# Altium PCB PC104_M7_4L.PcbDoc (part 2 of 3) (continued)
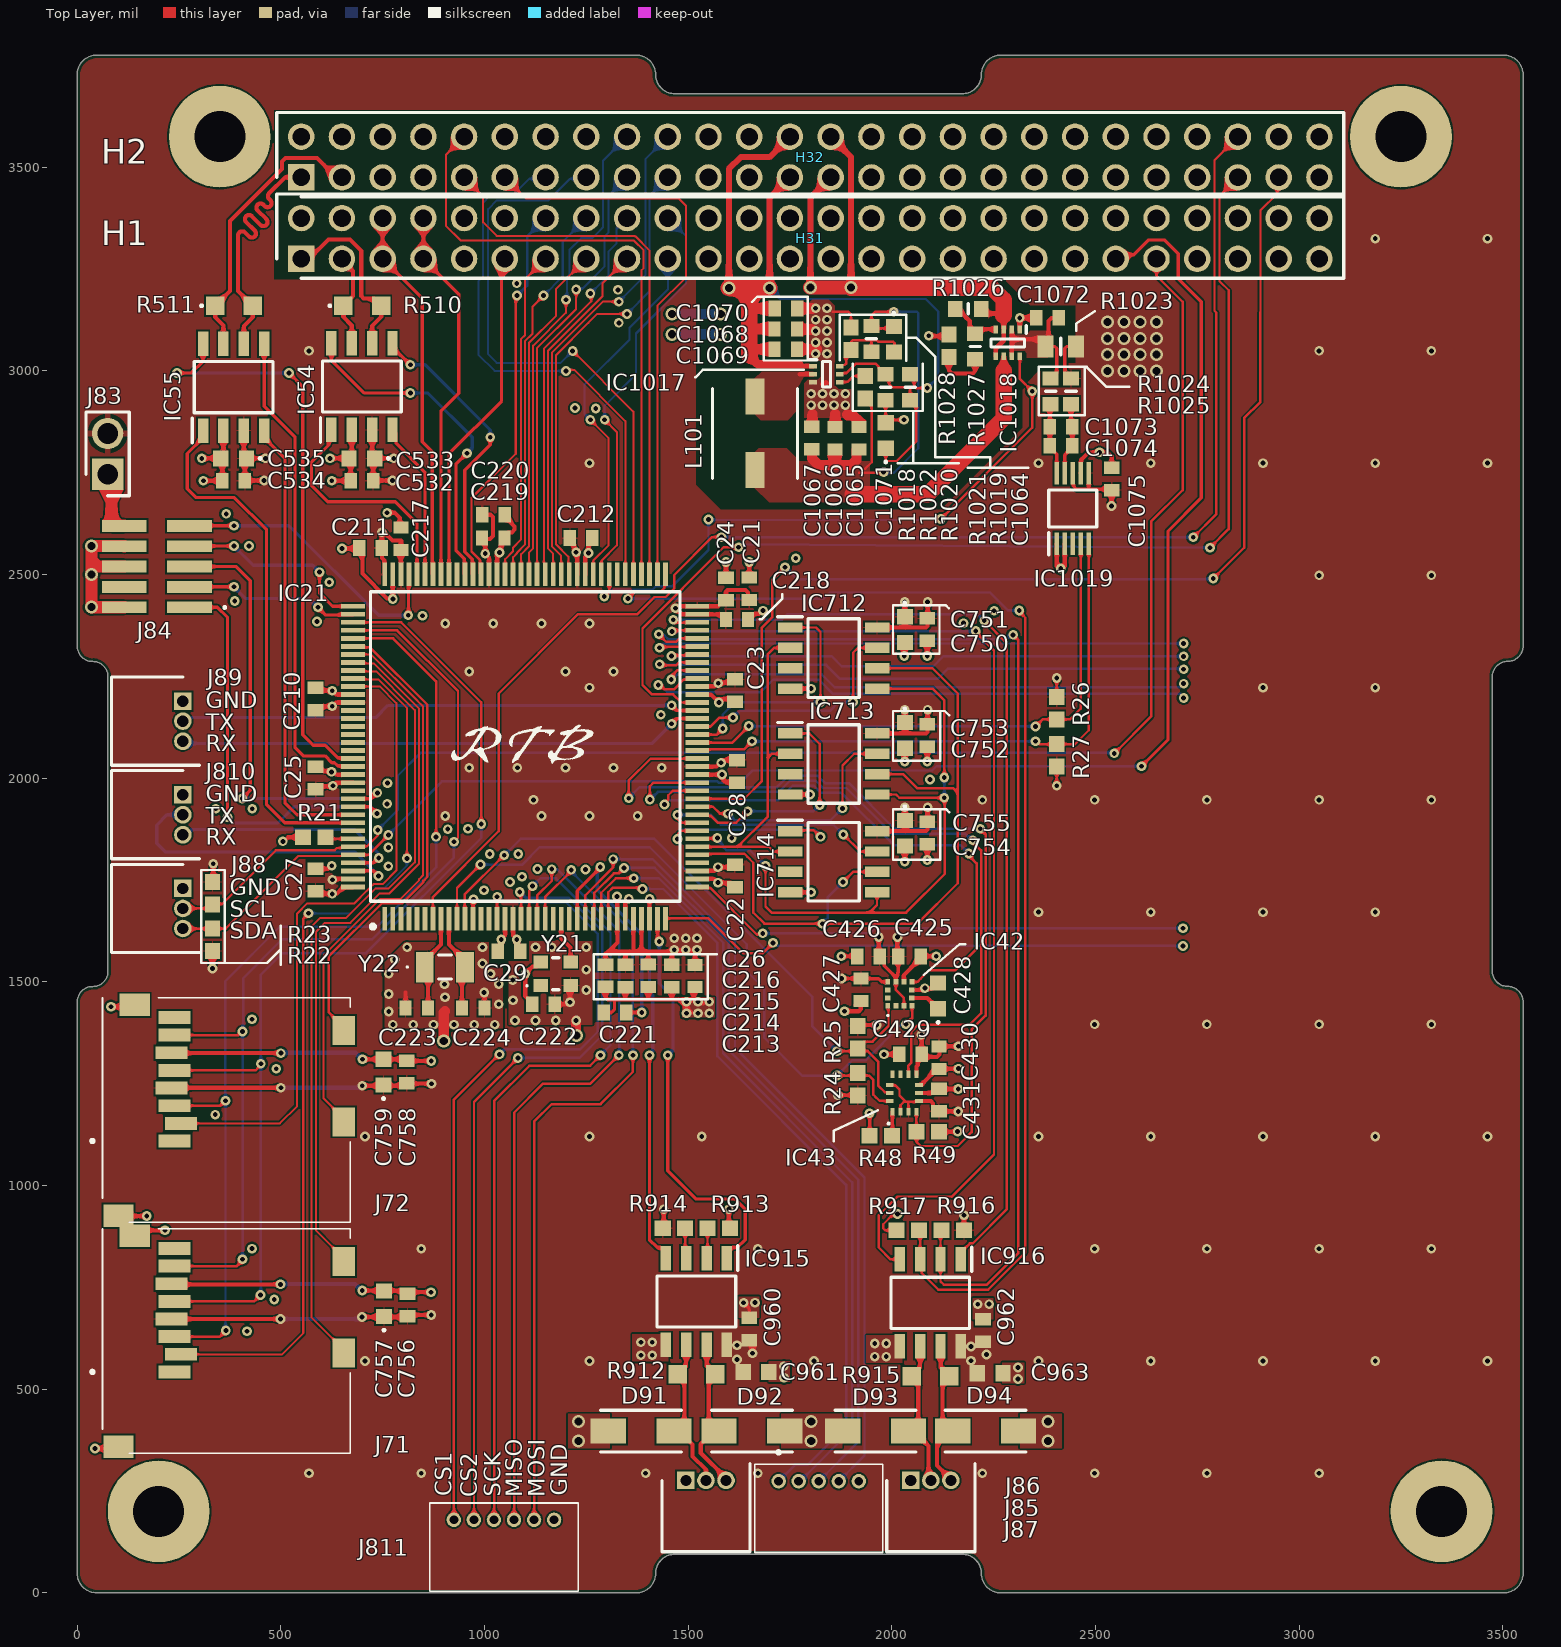
[diagram p0: Top Layer view]
## Nets (pads, with @x,y where several pads share a name; then routed paths per layer and width w, separated by ;. In a path a pad name is that pad's centre, name@x,y a point inside that pad or via, vN(x,y) a via of type N, cw(c..) or ccw(c..) an arc to the next point about the centre after c; other vN are vias at no path point) (continued)
  Top Layer w5: 2796.48,3143.52 2792.32,3147.68 2792.32,3517.52 H32.48@2850,3575.2
  Top Layer w6: IC21.7@873.38,1654.92 873.38,1708.38 1035,1870 1035,2208 1230,2403 1375.59,2403 1417.59,2445 1445,2445 1466,2466 1466,2499 1559,2592 v1(1582,2592) ; v1(2740.16,2591.54) 2796.48,2647.85 2796.48,3143.52
  Bottom Layer w6: v1(1582,2592) 1582.23,2591.77 2739.93,2591.77 v1(2740.16,2591.54)
RTC_OUT_CALIB: H32.49 IC21.48 | length 2840.5
  Top Layer w5: 2905.02,3143.98 2905.02,3393.83 2946.41,3435.22 2946.41,3471.61 H32.49@2950,3475.2
  Top Layer w6: IC21.48@1522.51,1949.72 1637.72,1949.72 1681,1993 1681,2370 1707,2396 1707,2487 v1(1738,2518) ; v1(2789.37,2490.16) 2865.16,2565.94 2865.16,2884.16 2905.02,2924.02 2905.02,3143.98
  Bottom Layer w6: v1(1738,2518) 1767,2489 2788.21,2489 v1(2789.37,2490.16)
SD1_CD1: IC21.117 J71.CD1 | length 1964.6
  Top Layer w5: J71.CD1@654.53,589.15 654.53,597.03 575,676.55 575,1635.1 596.9,1657 660.15,1657 732.5,1729.34 764.83,1729.34 828.98,1793.49 828.98,1795.12 828.98,2167.3 816.64,2179.64 734.1,2262.19 679.5,2262.19 IC21.117@677,2264.69
SD1_CD2: IC21.116 J71.CD2 | length 1750
  Top Layer w5: J71.CD2@654.53,813.56 654.53,821.43 586.61,889.35 586.61,1623.59 607.94,1644.91 670.7,1644.91 742.91,1717.13 766.76,1717.13 838.98,1789.35 838.98,2171.45 826.64,2183.78 823.71,2186.71 728.56,2281.87 679.5,2281.87 IC21.116@677,2284.37
SD2_CD1: IC21.115 J72.CD1 | length 1395.8
  Top Layer w5: J72.CD1@654.53,1156.15 654.53,1164.02 605,1213.55 605,1563.66 606.59,1565.25 606.59,1566.67 743.25,1703.33 793.02,1703.33 839.57,1749.88 839.57,1752.42 848.98,1761.83 848.98,1785.21 848.98,2176.3 837.14,2188.13 834.21,2191.06 721.22,2304.06 IC21.115@677,2304.06
SD2_CD2: IC21.114 J72.CD2 | length 1186.9
  Top Layer w6: J72.CD2@654.53,1380.56 654.53,1388.43 617.09,1425.87 617.09,1562.32 747.6,1692.83 795.83,1692.83 797.37,1692.83 850.07,1745.53 850.07,1748.07 859.48,1757.48 859.48,2180.64 718.89,2321.24 679.5,2321.24 IC21.114@677,2323.74
SEC_PWR: C1064.1 C1065.1 C1066.1 C1067.1 IC1018.6 L101.2 R1018.1 R1019.1 | length 1715.5
  Top Layer w6: 1920,2750 1978,2750 v1(1980,2752) ; 1935,2760 1950.7,2775.7 1950.7,2916.74 R1018.1@1935,2932.44 ; C1064.1@2004.94,3109.16 2005,3109.1 2005,3104.33 1949,3104.33 1949,3109.52 R1019.1@1949.82,3110.34 1949.82,3135.82 1959,3145 v1(2005,3145)
  Top Layer w11.81: 2274.9,3000.86 IC1018.6@2274.9,3035.85
  Top Layer w25: C1067.1@1803.8,2807.44 1803.8,2785.21 1820.3,2768.72 1860.8,2768.72 ; C1066.1@1860.36,2807.44 1860.36,2769.16 1860.8,2768.72 ; C1065.1@1919.36,2807.44 1915.62,2807.44 1913.35,2805.18 1913.35,2781.65 1900.42,2768.72 1860.8,2768.72
  Top Layer w40: 1903.85,2697 2088,2697 2274.9,2883.9 2274.9,3000.86
  Bottom Layer w6: v1(1980,2752) 1982,2750 2005,2750 2065.14,2810.14 2065.14,3141.49 2061.63,3145 v1(2005,3145)
SPI1_CS1: IC21.56 IC712.1 | length 606.7
  Top Layer w6: IC21.56@1522.51,2107.21 1570.21,2107.21 v1(1585,2122) ; IC712.1@1750.27,2370 1814,2370 1825,2359 v1(1825,2187)
  Bottom Layer w6: v1(1585,2122) 1585,2156 1616,2187 v1(1825,2187)
SPI1_CS2: IC21.46 IC713.1 | length 560
  Top Layer w6: IC21.46@1522.51,1910.35 1525.42,1907.45 1556.05,1907.45 1572.5,1891 1618,1891 v1(1646,1919) ; IC713.1@1750.27,2110 1797.38,2110 1823,2084.38 v1(1823,1934)
  Bottom Layer w6: v1(1646,1919) 1807,1919 1822,1934 v1(1823,1934)
SPI1_CS3: IC21.44 IC714.1 | length 520.8
  Top Layer w6: v1(1474,1851) 1475.13,1852.13 1475.13,1863.13 1482.98,1870.98 IC21.44@1522.51,1870.98 ; IC714.1@1750.27,1870 1752.27,1872 1809,1872 v1(1825,1856)
  Bottom Layer w6: v1(1474,1851) 1475.13,1852.13 1475.13,1863.13 1485.03,1873.03 1810.97,1873.03 1825,1859 v1(1825,1856)
SPI1_CS4: IC21.40
SPI1_MISO: IC21.42 IC712.2 IC713.2 IC714.2 | length 856.5
  Top Layer w6: IC21.42@1522.51,1831.61 1621.61,1831.61 ; IC714.2@1750.27,1820 1710,1820 1698.39,1831.61 1621.61,1831.61 ; IC713.2@1750.27,2060 1705,2060 1702.64,2057.64 1695,2050 ; IC712.2@1750.27,2320 1711.19,2320 1695,2303.81 1695,2050 ; 1621.61,1831.61 1695,1905 1695,2050
SPI1_MOSI: IC21.43 IC712.5 IC713.5 IC714.5 | length 1616.7
  Top Layer w6: IC21.43@1522.51,1851.3 1523.42,1852.21 1570.85,1852.21 v1(1571.77,1853.12) ; v1(1690,1785) 1690,1685 1705,1670 1945,1670 ; IC714.5@1963.73,1720 1963.73,1688.73 1945,1670 ; IC713.5@1963.73,1960 2010.2,1960 2018.2,1952 v1(2129,1952) 2130,1951 2130,1765 2035,1670 1945,1670 ; IC712.5@1963.73,2220 2100,2220 2129,2191 v1(2129,2002)
  Bottom Layer w6: v1(1571.77,1853.12) 1571.77,1849.48 1584.73,1836.51 1584.73,1832.27 1594,1823 1652,1823 v1(1690,1785) ; v1(2129,1952) v1(2129,2002)
SPI1_SCK: IC21.41 IC712.6 IC713.6 IC714.6 | length 1949
  Top Layer w6: IC21.41@1522.51,1811.93 1524.42,1813.83 1556.47,1813.83 1557.42,1814.79 1637.8,1814.79 1645.16,1807.42 1660,1792.58 1660,1670 1687.14,1642.86 2062.86,1642.86 2162,1742 2162,1964 ; v1(1880,1745) 1905,1770 IC714.6@1963.73,1770 ; IC713.6@1963.73,2010 2028,2010 2063,1975 2151,1975 2162,1964 ; IC712.6@1963.73,2270 2100,2270 2162,2208 2162,1964
  Bottom Layer w6: v1(1830,1642.86) 1843,1655.86 1843,1708 v1(1880,1745)
SPI2_CS1: H32.13 IC21.78 | length 1364
  Top Layer w5: v1(1200,3000) 1202.43,3002.43 1214.92,3002.43 1215.06,3002.57 1220.06,3002.57 1345.82,2876.8 IC21.78@1345.82,2500.43
  Bottom Layer w5: H32.13@1150,3475.2 1146.41,3471.61 1110.02,3471.61 1067.19,3428.78 1039.97,3428.78 1039.91,3428.72 1012.04,3428.72 996.48,3413.16 996.48,3231.48 985,3220 985,3040 1025,3000 v1(1200,3000)
SPI2_CS2: H32.15 IC21.77 | length 1468.2
  Top Layer w5: v1(1216.34,3049.16) 1365.5,2899.99 IC21.77@1365.5,2500.43
  Bottom Layer w5: v1(1216.34,3049.16) 1187.18,3020 1030,3020 1008.86,3041.14 1008.86,3397.02 1030.56,3418.72 1157.13,3418.72 1210.02,3471.61 1246.41,3471.61 H32.15@1250,3475.2
SPI2_MISO: H32.9 IC21.75 | length 1362.2
  Top Layer w5: H32.9@950,3475.2 996.78,3428.42 996.78,3364.8 1029.89,3331.69 1369.2,3331.69 1370.71,3330.18 1370.97,3330.18 1404.98,3296.17 1404.98,3296.02 1404.87,3296.02 IC21.75@1404.87,2500.43
SPI2_MOSI: H32.10 IC21.76 | length 1546.1
  Top Layer w5: H32.10@950,3575.2 905.02,3530.22 905.02,3356.57 941.41,3320.18 1366.83,3320.18 1390.75,3296.26 1390.75,3252.33 1385.19,3246.78 IC21.76@1385.19,2500.43
SPI2_SCK: H32.11 IC21.74 | length 1407.8
  Top Layer w5: H32.11@1050,3475.2 1101.44,3423.76 1476.24,3423.76 1494.98,3405.02 1494.98,3229.98 1424.56,3159.56 IC21.74@1424.56,2500.43
SPI3_CS1: IC21.118 J71.P2 | length 2202.3
  Top Layer w5: J71.P2@254.92,585.61 503.11,585.61 555,637.5 555,1655.39 v1(567.91,1668.31) 570.22,1666 v1@571.22,1667 ; IC21.118@677,2245 679.5,2242.5 739.64,2242.5 809.57,2172.57 v1(809.57,1803.16)
  Bottom Layer w5: v1(567.91,1668.31) 671.46,1668.31 732.98,1729.83 754,1729.83 809.57,1785.39 v1(809.57,1803.16)
SPI3_CS2: IC21.119 J72.P2 | length 1597.1
  Top Layer w5: J72.P2@254.92,1152.61 497.61,1152.61 540,1195 540,1667.84 565.07,1692.91 622.94,1692.91 680.86,1692.91 712.53,1724.59 719.84,1731.89 727.77,1739.83 749.86,1739.83 783.46,1773.43 783.46,2184.54 742.68,2225.32 IC21.119@677,2225.32
SPI3_MISO: IC21.112 J71.P7 J72.P7 | length 2409.5
  Top Layer w6: J71.P7@239.17,802.14 392.31,802.14 406,815.83 v1(406,819) ; J72.P7@239.17,1369.14 393.97,1369.14 402.83,1378 v1(406,1378) ; IC21.112@677,2363.11 785.59,2363.11 935,2213.7 935,1853.99 v1(925,1843.99)
  Bottom Layer w6: v1(406,819) v1(406,1378) 407.28,1379.28 407.28,1508.51 503.58,1604.81 724.89,1604.81 925,1804.92 v1(925,1843.99)
SPI3_MOSI: IC21.113 J71.P3 J72.P3 | length 2458.3
  Top Layer w6: J71.P3@239.17,628.92 350.59,628.92 365,643.33 v1(365,644) ; J72.P3@239.17,1195.91 350.83,1195.91 362.92,1208 v1(364,1208) ; IC21.113@677,2343.43 775.57,2343.43 881.13,2237.87 v1(881.13,1855.94)
  Bottom Layer w6: v1(365,644) 364.14,644.86 364.14,1207.86 v1(364,1208) 364,1502 497.27,1635.27 735.67,1635.27 881.13,1780.73 v1(881.13,1855.94)
SPI3_SCK: IC21.111 J71.P5 J72.P5 | length 2634.7
  Top Layer w6: J71.P5@239.17,715.53 434.53,715.53 v1(450,731) ; J72.P5@239.17,1282.53 437.97,1282.53 442.22,1286.77 442.22,1287.05 451,1295.83 v1(451,1299) ; IC21.111@677,2382.8 795.6,2382.8 992.05,2186.35 v1(992.05,1887.58)
  Bottom Layer w6: v1(450,731) 451,732 451,1518 503.69,1570.69 709.47,1570.69 992.05,1853.27 v1(992.05,1887.58)
SPI4_CS1: IC21.64 | length 1358.4
  Top Layer w6: v1(1458.31,2242.34) 1460.55,2244.59 1460.55,2252.2 1473.03,2264.69 IC21.64@1522.51,2264.69
  Bottom Layer w6: v1(1458.31,2242.34) 1459.1,2242.34 1471.33,2254.58 1475.57,2254.58 1475.85,2254.86 1828.14,2254.86 1860,2223 2707.25,2223 v1(2716.54,2232.28)
SPI4_CS2: IC21.63 | length 1441.7
  Top Layer w6: v1(1426.65,2228.77) 1429.82,2228.77 1434.02,2224.57 1435.7,2224.57 1441.98,2218.28 1465.16,2218.28 1488.97,2242.09 1519.61,2242.09 IC21.63@1522.51,2245
  Bottom Layer w6: v1(1426.65,2228.77) 1429.82,2228.77 1434.02,2224.57 1435.7,2224.57 1449.13,2211.14 1677.69,2211.14 1708.4,2241.86 1821.14,2241.86 1856.09,2206.91 2709.72,2206.91 2716.54,2200.09 v1(2716.54,2196.85)
SPI4_MISO: IC21.66 | length 1343.3
  Top Layer w6: v1(1458.92,2300) 1460.77,2301.85 1520.3,2301.85 IC21.66@1522.51,2304.06
  Bottom Layer w6: v1(1458.92,2300) 1852,2300 1877,2275 2102,2275 2126.21,2299.21 v1(2716.54,2299.21)
SPI4_MOSI: IC21.67 | length 1386.4
  Top Layer w6: v1(1429.64,2320.23) 1431.88,2322.47 1437.75,2322.47 1521.25,2322.47 IC21.67@1522.51,2323.74
  Bottom Layer w6: v1(1429.64,2320.23) 1440.12,2330.71 1446.16,2330.71 1447.2,2329.67 1472.8,2329.67 1473.84,2330.71 v1(2716.54,2330.71)
SPI4_SCK: IC21.65 | length 1409
  Top Layer w6: v1(1430,2280) 1432.63,2280 1435.49,2277.14 1470.39,2277.14 1477.62,2284.37 IC21.65@1522.51,2284.37
  Bottom Layer w6: v1(1430,2280) 1431.86,2278.14 1838.86,2278.14 1873,2244 2113,2244 2138,2269 2715.25,2269 v1(2716.54,2267.72)
SPI5_CS1: IC21.15 J811.1 | length 2032.2
  Top Layer w6: J811.1@925,180 925,1211 1036,1322 v1(1037,1322) ; IC21.15@1030.86,1654.92 1030.93,1654.99 1030.93,1708.93 v1(1031,1709)
  Bottom Layer w6: v1(1031,1709) 1045,1695 1200.67,1695 1278,1617.67 1278,1377.41 1235.59,1335 1050,1335 v1(1037,1322)
SPI5_CS2: IC21.18 J811.2 | length 1972.7
  Top Layer w6: J811.2@974.21,180 974.21,1205.35 v1(1082,1313.14) ; v1(1086.74,1720.74) 1088.98,1718.5 1088.98,1711.85 1089.93,1710.9 IC21.18@1089.91,1654.92
  Bottom Layer w6: v1(1082,1313.14) 1233.14,1313.14 1289,1369 1289,1624.5 1207.5,1706 1101.5,1706 v1@1086.76,1720.74
SPI5_MISO: IC21.20 J811.4 | length 1985.2
  Top Layer w6: J811.4@1072.64,180 1072.64,1178.64 1144,1250 1260,1250 v1(1330,1320) ; IC21.20@1129.28,1654.92 1129.28,1712.28 1165,1748 v1(1165,1776.86)
  Bottom Layer w6: v1(1165,1776.86) 1165.06,1776.8 1178.2,1776.8 1331.26,1623.74 1331.26,1321.26 v1(1330,1320)
SPI5_MOSI: IC21.21 J811.5 | length 1976.1
  Top Layer w6: J811.5@1121.85,179 1121.85,1156.85 1165,1200 1285,1200 1364.45,1279.45 v1(1364.45,1320) ; IC21.21@1148.97,1654.92 1148.97,1707.97 1213,1772 v1(1213,1775)
  Bottom Layer w6: v1(1213,1775) 1213,1771.25 1364.45,1619.8 v1(1364.45,1320)
SPI5_SCK: IC21.19 J811.3 | length 1984.4
  Top Layer w6: J811.3@1023.43,180 1023.43,1207.43 1110.14,1294.14 1259.14,1294.14 v1(1285,1320) ; IC21.19@1109.6,1654.92 1109.6,1723.43 1118.07,1731.9 v1(1118.07,1735.07)
  Bottom Layer w6: v1(1118.07,1735.07) 1137,1754 1176,1754 1309.4,1620.6 1309.4,1344.4 v1(1285,1320)
TIM1_CH1: H32.47 IC21.60 | length 2726.7
  Top Layer w5: 2827,3197.61 2805.02,3219.59 2805.02,3430.22 H32.47@2850,3475.2
  Top Layer w6: IC21.60@1522.51,2185.95 1483.3,2185.95 1463.24,2206 1411,2206 1388,2229 1388,2368 1587,2567 v1(1624,2567) ; v1(2781.5,2565.94) 2827,2611.45 2827,3197.61
  Bottom Layer w6: v1(1624,2567) 1628.56,2572.86 1630.32,2574.61 1632.81,2574.61 v1(2781.5,2565.94)
TIM4_CH1: H31.20 IC21.81 | length 1004.5
  Top Layer w5: IC21.81@1286.76,2500.43 1287.37,2501.04 1287.37,2534.04 1325,2571.67 1325,2850 v1(1295,2880)
  Bottom Layer w5: v1(1295,2880) 1295,2915 1372,2992 1372,3092 1494.98,3214.98 1494.98,3330.22 H31.20@1450,3375.2
TIM4_CH2: H31.19 IC21.82 | length 900.2
  Top Layer w5: v1(1260,2880) 1305,2835 1305,2572.49 1267.08,2534.57 IC21.82@1267.08,2500.43
  Bottom Layer w5: v1(1260,2880) 1245,2895 1245,2966 1356,3077 1356,3106 1450,3200 H31.19@1450,3275.2
TIM4_CH3: H32.19 IC21.85 | length 1144.7
  Top Layer w5: IC21.85@1208.02,2500.43 1205.79,2502.67 1205.79,2544.07 1175.56,2574.29 1175.56,3038.59 1255,3118.02 1276.98,3140 v1(1350,3140)
  Bottom Layer w5: v1(1350,3140) 1405.02,3195.02 1405.02,3430.22 H32.19@1450,3475.2
TIM4_CH4: H32.20 IC21.86 | length 1224.9
  Top Layer w5: IC21.86@1188.34,2500.43 1188.34,2546.66 1165.56,2569.44 1165.56,3044.71 1290.86,3170 v1(1330,3170)
  Bottom Layer w5: v1(1330,3170) 1394.98,3234.98 1394.98,3520.18 H32.20@1450,3575.2
TIM8_CH1: H31.14 IC21.96 | length 959.7
  Top Layer w5: 968.21,2688.21 968.21,2556.45 969.24,2555.42
  Top Layer w6: 968.21,2688.21 1076.59,2796.59 1076.59,3181.59 v1(1080,3185) ; 969.24,2555.42 988.58,2536.08 988.58,2503.34 IC21.96@991.49,2500.43
  Bottom Layer w6: v1(1080,3185) 1104.52,3209.52 1104.52,3329.72 H31.14@1150,3375.2
UART1_RX: H31.5 H31.6 IC21.102 | length 925.9
  Top Layer w8: H31.6@750,3375.2 H31.5@750,3275.2 847,3178.2 847,2826 871.47,2801.53 871.47,2502.34 IC21.102@873.38,2500.43
UART1_TX: H31.7 H31.8 IC21.101 | length 929
  Top Layer w8: H31.8@850,3375.2 H31.7@850,3275.2 937,3188.2 937,2945 893.06,2901.06 IC21.101@893.06,2500.43
UART2_RX: IC21.37 | length 1247
  Top Layer w6: IC21.37@1522.51,1733.19 1525.42,1730.28 1554.68,1730.28 1668.21,1616.76 1680.76,1616.76 v1(1683,1619)
  Bottom Layer w6: v1(1683,1619) 1946.09,1619 1958.95,1631.86 v1(2715,1631.86)
UART2_TX: IC21.36 | length 1320.7
  Top Layer w6: IC21.36@1444.24,1654.92 1445.07,1654.92 1446.15,1656 1550,1656 1636,1570 1682.67,1570 v1(1708.44,1595.77)
  Bottom Layer w6: v1(1708.44,1595.77) 1710.18,1595.77 1717.81,1588.14 v1(2715,1588.14)
UART3_RX: IC21.70 IC916.1 | length 2479.7
  Top Layer w6: v1(1463.58,2389.18) 1465.75,2389.18 1472.96,2381.97 1521.69,2381.97 IC21.70@1522.51,2382.8 ; IC916.1@2169.62,818.73 2169.62,836.01 2191.61,858 2198.95,858 2282,941.05 2282,2332 v1(2227,2387)
  Bottom Layer w6: v1(1463.58,2389.18) 1464,2389.59 1729.59,2389.59 1742.72,2402.72 2211.28,2402.72 v1(2227,2387)
UART3_TX: IC21.69 IC916.4 | length 2601.1
  Top Layer w6: v1(1460,2360.58) 1462.53,2363.11 IC21.69@1522.51,2363.11 ; IC916.4@2019.62,818.73 1997.27,818.73 1968,848 1968,927 2014.02,973.02 2147.02,973.02 ; 2147.74,972.74 2251,1076 2251,2314 2206,2359 v1(2206,2361.62)
  Bottom Layer w6: v1(1460,2360.58) 1460.37,2360.95 2205.33,2360.95 v1(2206,2361.62)
UART4_RX: IC21.35 IC915.1 | length 1017.7
  Top Layer w8: IC21.35@1424.56,1654.92 1424.56,1606.07 1429,1601.63 v1(1429,1599) ; v1(1450,1320) 1450,1036 1519,967 1615,967 1640,942 1640,867 1620.96,847.96 1604.05,847.96 1595.25,839.16 IC915.1@1595.25,821.88
  Bottom Layer w8: v1(1429,1599) 1429,1496 1463,1462 1463,1333 v1(1450,1320)
UART4_TX: IC21.34 IC915.4 | length 961.7
  Top Layer w8: IC21.34@1404.87,1654.92 1405.19,1655.24 1405.19,1703.42 v1(1405.51,1703.74) ; v1(1405,1320) 1405,867 1424.04,847.96 1436.46,847.96 1445.25,839.16 IC915.4@1445.25,821.88
  Bottom Layer w8: v1(1405,1320) 1405,1321.54 1413,1329.54 1413,1467 1405,1475 1405,1703.23 v1(1405.51,1703.74)
UART7_RX: IC21.58 J89.3 | length 1291.2
  Top Layer w8: v1(1459.51,2133.82) 1472.27,2146.58 IC21.58@1522.51,2146.58
  Bottom Layer w8: J89.3@259.24,2090.79 265.02,2085 1410.69,2085 v1(1459.51,2133.82)
UART7_TX: IC21.59 J89.2 | length 1284.6
  Top Layer w8: v1(1459.51,2178.82) 1472.07,2166.26 IC21.59@1522.51,2166.26
  Bottom Layer w8: J89.2@259.24,2140 265.99,2146.76 279.33,2146.76 281.58,2149 733,2149 762.82,2178.82 v1(1459.51,2178.82)
UART8_RX: IC21.141 J810.3 | length 589.6
  Top Layer w8: IC21.141@677,1792.24 727.24,1792.24 739.03,1804.03 v1(740.14,1804.03)
  Bottom Layer w8: J810.3@259.24,1861.14 268.72,1861.14 281.58,1874 681,1874 738.25,1816.75 v1@738.25,1812.79 ; v1@738.29,1812.76 738.29,1805.89 v1(740.14,1804.03)
UART8_TX: IC21.142 J810.2 | length 766.1
  Top Layer w8: IC21.142@677,1772.56 727.44,1772.56 v1(740,1760)
  Bottom Layer w8: J810.2@259.24,1910.35 220.35,1910.35 195,1885 195,1840 216,1819 681,1819 v1(740,1760)
VIN_3V3: H32.27 H32.28 IC1018.3 IC1018.5 R1026.1 | length 2142.4
  Top Layer w10: 2273.39,3141 2274.9,3139.49
  Top Layer w11.81: R1026.1@2220.5,3141 2273.39,3141 ; IC1018.5@2255.21,3035.85 2255.21,3055.08 2274.9,3074.77 IC1018.3@2274.9,3101.83 2274.9,3122.68
  Top Layer w15: v2(1800.02,3204.59) 1800.02,3425.22 H32.27@1850,3475.2 ; H32.28@1850,3575.2 1899.98,3525.22 v2(1899.98,3204.59)
  Top Layer w20: 2274.9,3122.68 2275.13,3122.92
  Top Layer w35: v2(1800.02,3204.59) v2(1899.98,3204.59)
  Top Layer w40: v2(1899.98,3204.59) 2245.41,3204.59 2275.13,3174.87 2275.13,3137.06 2273.98,3135.91
  Bottom Layer w15: v2(1800.02,3204.59) 1800.02,3425.22 H32.27@1850,3475.2 ; H32.28@1850,3575.2 1899.98,3525.22 v2(1899.98,3204.59)
  Bottom Layer w35: v2(1800.02,3204.59) v2(1899.98,3204.59)
VIN_5V: C1068.1 C1069.1 C1070.1 H32.25 H32.26 IC1017.1 R1020.1 | length 2964.5
  Top Layer w6: R1020.1@2045,2991.5 2055,2981.5 2055,2963.51 2060.51,2958 v1(2087,2958)
  Top Layer w11: 1773.68,3016.32 1778.18,3011.82 1778.36,3011.64 IC1017.1@1806.63,3011.64
  Top Layer w15: v2(1599.98,3203.79) 1599.98,3495.86 1629.34,3525.22 1700.02,3525.22 H32.26@1750,3575.2 ; v2(1700.02,3203.79) 1700.02,3425.22 H32.25@1750,3475.2
  Top Layer w20: 1649.95,3037.77 1671.41,3016.32 1773.68,3016.32
  Top Layer w25: 1649.95,3037.77 1665.43,3053.25 C1069.1@1712.22,3053.25 ; 1649.95,3103.25 C1068.1@1712.22,3103.25 ; 1649.95,3153.25 C1070.1@1712.22,3153.25
  Top Layer w40: v2(1599.98,3203.79) 1649.95,3203.79 ; 1649.95,3037.77 1649.95,3103.25 1649.95,3153.25 1649.95,3203.79 ; v2(1700.02,3203.79) 1649.95,3203.79
  Bottom Layer w6: v2(1700.02,3203.79) 1727.22,3176.59 2083.26,3176.59 2114.17,3145.67 2114.17,2985.17 v1(2087,2958)
  Bottom Layer w15: v2(1599.98,3203.79) 1599.98,3495.86 1629.34,3525.22 1700.02,3525.22 H32.26@1750,3575.2 ; v2(1700.02,3203.79) 1700.02,3425.22 H32.25@1750,3475.2
  Bottom Layer w40: v2(1599.98,3203.79) v2(1700.02,3203.79)
VTEMP: 
pads on no net: H31.2 H31.4 H31.9 H31.10 H31.12 H31.21 H31.22 H31.23 H31.24 H31.25 H31.26 H31.27 H31.28 H31.29 H31.30 H31.31 H31.32 H31.35 H31.36 H31.37 H31.38 H31.39 H31.40 H31.42 H31.44 H31.45 H31.46 H31.47 H31.48 H31.49 H31.50 H31.51 H31.52 H32.2 H32.4 H32.5 H32.6 H32.7 H32.8 H32.12 H32.14 H32.16 H32.21 H32.22 H32.23 H32.24 H32.33 H32.34 H32.35 H32.36 H32.37 H32.38 H32.39 H32.40 H32.41 H32.42 H32.43 H32.44 H32.45 H32.46 H32.50 H32.51 H32.52 IC21.1 IC21.2 IC21.3 IC21.4 IC21.5 IC21.6 IC21.13 IC21.14 IC21.22 IC21.79 IC21.99 IC21.122 IC21.123 IC21.124 IC21.125 IC21.126 IC21.127 IC21.132 IC21.137 IC42.2 IC42.11 IC42.12 IC43.10 IC43.11 IC712.3 IC713.3 IC714.3 IC1019.3 J71.P1 J71.P8 J72.P1 J72.P8 J84.4 Y21.1

## Polygon pours and split planes (outlines as drawn)
3V3 on Top Layer "NONET_L-01_P-001" (solid, remove dead copper, pour order 39): 1520,3230 1520,2720 1580,2660 2120,2660 2320,2860 2320,2960 2380,3020 2450,3020 2450,3160 2340,3160 2270,3230 1901,3230 1901,3640 1901,3775.2 3550,3775.2 3550,0 0,0 0,3775.2 1901,3775.2 1901,3230
GND on Top Layer "NONET_L-01_P-001" (solid, pour order 36): 1205.35,355 1205.35,439 1307.77,439 1307.77,355
GND on Top Layer "NONET_L-01_P-001" (solid, pour order 34): 1729,355 1729,439 1878.16,439 1878.16,355
GND on Top Layer "NONET_L-01_P-001" (solid, pour order 33): 2417.32,439 2417.32,355 2314.9,355 2314.9,439
GND on Top Layer "NONET_L-01_P-001" (solid, pour order 32): 1698.09,568 1698.09,518 1750.09,518 1750.09,568
GND on Top Layer "NONET_L-01_P-001" (solid, pour order 30): 1624.25,675.56 1674.25,675.56 1674.25,727.13 1624.25,727.13
GND on Top Layer "NONET_L-01_P-001" (solid, remove dead copper, pour order 29): 2199,671.56 2249,671.56 2249,723.57 2199,723.57
GND on Top Layer "NONET_L-01_P-001" (solid, pour order 28): 2025.37,631.85 2025.37,564.85 1937.37,564.85 1937.37,631.85
GND on Top Layer "NONET_L-01_P-001" (solid, pour order 27): 1451,635 1451,568 1363,568 1363,635
3V3 on Top Layer "NONET_L-01_P-001" (solid, pour order 26): 1580,620.44 1674,620.44 1674,578 1657,578 1657,542 1599,542 1599,572 1580,572 1580,574
3V3 on Top Layer "NONET_L-01_P-001" (solid, pour order 25): 1453,1570 1453,1618.5 1538,1618.5 1538,1570
GND on Top Layer "NONET_L-01_P-001" (solid, pour order 24): 1565,1462 1565,1413 1485,1413 1485,1462
GND on Top Layer "NONET_L-01_P-001" (solid, pour order 23): 1060,1395 1060,1550 1110,1550 1110,1600 1175,1600 1175,1700 1220,1700 1220,1600 1265,1600 1265,1395
GND on Top Layer "NONET_L-01_P-001" (solid, remove dead copper, pour order 20): 755,1386 755,1548 804.05,1597.05 883.49,1597.05 883.49,1697.05 920.49,1697.05 920.49,1597.05 1010,1597.05 1010,1535 1045,1535 1045,1386
3V3 on Top Layer "NONET_L-01_P-001" (solid, remove dead copper, pour order 19): 2441.04,3058.96 2530,2970 2678,2970 2678,3150 2530,3150 2441.04,3061.04
NetC1072_1 on Top Layer "NONET_L-01_P-001" (solid, pour order 18): 2290,3089 2331,3089 2340.43,3098.43 2383,3098.43 2383,3032 2332,3032 2332,3044 2326,3050 2290,3050
GND on Top Layer "NONET_L-01_P-001" (solid, pour order 17): 1818.17,2978.17 1793.17,2978.17 1785,2970 1785,2885 1890,2885 1900,2895 1900,2955 1870,2955 1860,2965 1860,3160 1845,3175 1805,3175 1790,3160 1790,3035 1800,3025 1825.84,3025 1825.84,2985.84
NetIC1017_2 on Top Layer "NONET_L-01_P-001" (solid, pour order 9): 1663.95,2981.68 1680.13,2997.86 1815.98,2997.86 1815.98,2986.05 1784.05,2986.05 1768.28,2957.07 1768.28,2963.72 1768.28,2903.28 1744,2879 1678.05,2879 1663.95,2893.1
SEC_PWR on Top Layer "NONET_L-01_P-001" (solid, pour order 8): 1663.95,2800.58 1663.95,2712 1698.95,2677 1925,2677 1946,2698 1946,2778 1773.69,2778 1741.69,2810 1673.37,2810
3V3 on Top Layer "NONET_L-01_P-001" (solid, pour order 7): 2154.37,616.44 2248.37,616.44 2248.37,574.85 2231.37,574.85 2231.37,539 2173.37,539 2173.37,568.85 2154.37,568.85 2154.37,570.85
GND on Top Layer "NONET_L-01_P-001" (solid, remove dead copper, pour order 6): 2271.84,565 2271.84,515 2324.84,515 2324.84,565
3V3 on Bottom Layer "NONET_L-01_P-001" (solid, remove dead copper, pour order 38): 0,47.24 0,1450.79 cw(c37.8,1450.79) 37.8,1488.58 ccw(c37.8,1526.38) 75.59,1526.38 75.59,2248.82 ccw(c37.8,2248.82) 37.8,2286.61 cw(c37.8,2324.41) 0,2324.41 0,3727.95 cw(c47.24,3727.95) 47.24,3775.2 1372.83,3775.2 cw(c1372.83,3727.95) 1420.08,3727.95 ccw(c1467.32,3727.95) 1467.32,3680.71 2172.83,3680.71 ccw(c2172.83,3727.95) 2220.08,3727.95 cw(c2267.32,3727.95) 2267.32,3775.2 3502.76,3775.2 cw(c3502.76,3727.95) 3550,3727.95 3550,2324.61 cw(c3512.2,2324.61) 3512.2,2286.81 ccw(c3512.2,2249.02) 3474.41,2249.02 3474.41,1526.57 ccw(c3512.2,1526.57) 3512.2,1488.78 cw(c3512.2,1450.98) 3550,1450.98 3550,47.24 cw(c3502.76,47.24) 3502.76,0 2267.32,0 cw(c2267.32,47.24) 2220.08,47.24 ccw(c2172.83,47.24) 2172.83,94.49 1467.32,94.49 ccw(c1467.32,47.24) 1420.08,47.24 cw(c1372.83,47.24) 1372.83,0 47.24,0 cw(c47.24,47.24)
GND on Layer 2 (split plane): 292 vertices, not listed, extent 20.05,20.05 3529.95,3755.14
GND on Layer 2 (split plane): 916.42,1597.05 916.73,1595.49 917.61,1594.16 918.93,1593.28 920.49,1592.97 1005.92,1592.97 1005.92,1535 1006.23,1533.44 1007.12,1532.12 1008.44,1531.23 1010,1530.92 1040.92,1530.92 1040.92,1389.08 759.08,1389.08 759.08,1543.31 808.74,1592.97 883.49,1592.97 885.06,1593.28 886.38,1594.16 887.26,1595.49 887.57,1597.05 887.57,1692.97 916.42,1692.97
GND on Layer 2 (split plane): 1215.92,1600 1216.23,1598.44 1217.12,1597.12 1218.44,1596.23 1220,1595.92 1260.92,1595.92 1260.92,1399.08 1064.08,1399.08 1064.08,1545.92 1110,1545.92 1111.56,1546.23 1112.88,1547.12 1113.77,1548.44 1114.08,1550 1114.08,1595.92 1175,1595.92 1176.56,1596.23 1177.88,1597.12 1178.77,1598.44 1179.08,1600 1179.08,1695.92 1215.92,1695.92
GND on Layer 2 (split plane): 1877.44,3270 1877.68,3267.55 1878.4,3265.19 1879.56,3263.02 1881.12,3261.12 1921.12,3221.12 1923.02,3219.56 1925.19,3218.4 1927.55,3217.68 1930,3217.44 2264.8,3217.44 2331.12,3151.12 2333.02,3149.56 2335.19,3148.4 2337.55,3147.68 2340,3147.44 2674.8,3147.44 2677.44,3144.8 2677.44,2975.2 2674.8,2972.56 2545.2,2972.56 2488.88,3028.88 2486.98,3030.44 2484.81,3031.6 2482.45,3032.32 2480,3032.56 2380,3032.56 2377.55,3032.32 2375.19,3031.6 2373.02,3030.44 2371.12,3028.88 2311.12,2968.88 2309.56,2966.98 2308.4,2964.81 2307.68,2962.45 2307.44,2960 2307.44,2865.2 2114.8,2672.56 1585.2,2672.56 1532.56,2725.2 1532.56,3607.44 1877.44,3607.44
GND on Layer 1 (split plane): 292 vertices, not listed, extent 20.05,20.05 3529.95,3755.14
GND on Layer 1 (split plane): 916.42,1597.05 916.73,1595.49 917.61,1594.16 918.93,1593.28 920.49,1592.97 1005.92,1592.97 1005.92,1535 1006.23,1533.44 1007.12,1532.12 1008.44,1531.23 1010,1530.92 1040.92,1530.92 1040.92,1389.08 759.08,1389.08 759.08,1543.31 808.74,1592.97 883.49,1592.97 885.06,1593.28 886.38,1594.16 887.26,1595.49 887.57,1597.05 887.57,1692.97 916.42,1692.97
GND on Layer 1 (split plane): 1215.92,1600 1216.23,1598.44 1217.12,1597.12 1218.44,1596.23 1220,1595.92 1260.92,1595.92 1260.92,1399.08 1064.08,1399.08 1064.08,1545.92 1110,1545.92 1111.56,1546.23 1112.88,1547.12 1113.77,1548.44 1114.08,1550 1114.08,1595.92 1175,1595.92 1176.56,1596.23 1177.88,1597.12 1178.77,1598.44 1179.08,1600 1179.08,1695.92 1215.92,1695.92
GND on Layer 1 (split plane): 1877.44,3270 1877.68,3267.55 1878.4,3265.19 1879.56,3263.02 1881.12,3261.12 1921.12,3221.12 1923.02,3219.56 1925.19,3218.4 1927.55,3217.68 1930,3217.44 2264.8,3217.44 2331.12,3151.12 2333.02,3149.56 2335.19,3148.4 2337.55,3147.68 2340,3147.44 2674.8,3147.44 2677.44,3144.8 2677.44,2975.2 2674.8,2972.56 2545.2,2972.56 2488.88,3028.88 2486.98,3030.44 2484.81,3031.6 2482.45,3032.32 2480,3032.56 2380,3032.56 2377.55,3032.32 2375.19,3031.6 2373.02,3030.44 2371.12,3028.88 2311.12,2968.88 2309.56,2966.98 2308.4,2964.81 2307.68,2962.45 2307.44,2960 2307.44,2865.2 2114.8,2672.56 1585.2,2672.56 1532.56,2725.2 1532.56,3607.44 1877.44,3607.44

## Other copper
Bottom Layer:
  pour cut-out: 1580,2660 1520,2720 1520,3230 1930,3230 2270,3230 2340,3160 2450,3160 2450,3020 2380,3020 2320,2960 2320,2860 2120,2660
Layer 1 (plane layer: these items are gaps in the copper):
  lines w8: 755,1385 755,1545 807.05,1597.05 883.49,1597.05 883.49,1697.05 892.74,1697.05 911.24,1697.05 920.49,1697.05 920.49,1597.05 1010,1597.05 1010,1535 1045,1535 1045,1385 755,1385 ; 1060,1395 1060,1550 1110,1550 1110,1600 1175,1600 1175,1700 1220,1700 1220,1600 1265,1600 1265,1395 1060,1395
  lines w25: 1520,2720 1580,2660 2120,2660 2320,2860 2320,2960 2380,3020 2480,3020 2540,2960 2680,2960 2690,2970 2690,3150 2680,3160 2510,3160 2340,3160 2270,3230 1930,3230 1890,3270 1890,3620 1520,3620 1520,2720
Layer 2 (plane layer: these items are gaps in the copper):
  lines w8: 755,1385 1045,1385 1045,1535 1010,1535 1010,1597.05 920.49,1597.05 920.49,1697.05 911.24,1697.05 892.74,1697.05 883.49,1697.05 883.49,1597.05 807.05,1597.05 755,1545 755,1385 ; 1060,1395 1265,1395 1265,1600 1220,1600 1220,1700 1175,1700 1175,1600 1110,1600 1110,1550 1060,1550 1060,1395
  lines w25: 1520,2720 1580,2660 2120,2660 2320,2860 2320,2960 2380,3020 2480,3020 2540,2960 2680,2960 2690,2970 2690,3150 2680,3160 2510,3160 2340,3160 2270,3230 1930,3230 1890,3270 1890,3620 1520,3620 1520,2720
Multi-Layer:
  pour cut-out: 483.27,3639.76 483.27,3225.39 3110.24,3225.39 3110.24,3639.76